# Altium PCB S6D01D4NucleoExtensionBoard1_values.PcbDoc
Units mm, origin at the board's own origin, x right, y up, seen from the top; angles counter-clockwise.
Board outline 100 x 100 mm, 2 copper layers (Top Layer, Bottom Layer), stack 1.621 mm thick; 126 components, 115 nets, 528 pads, 95 vias.
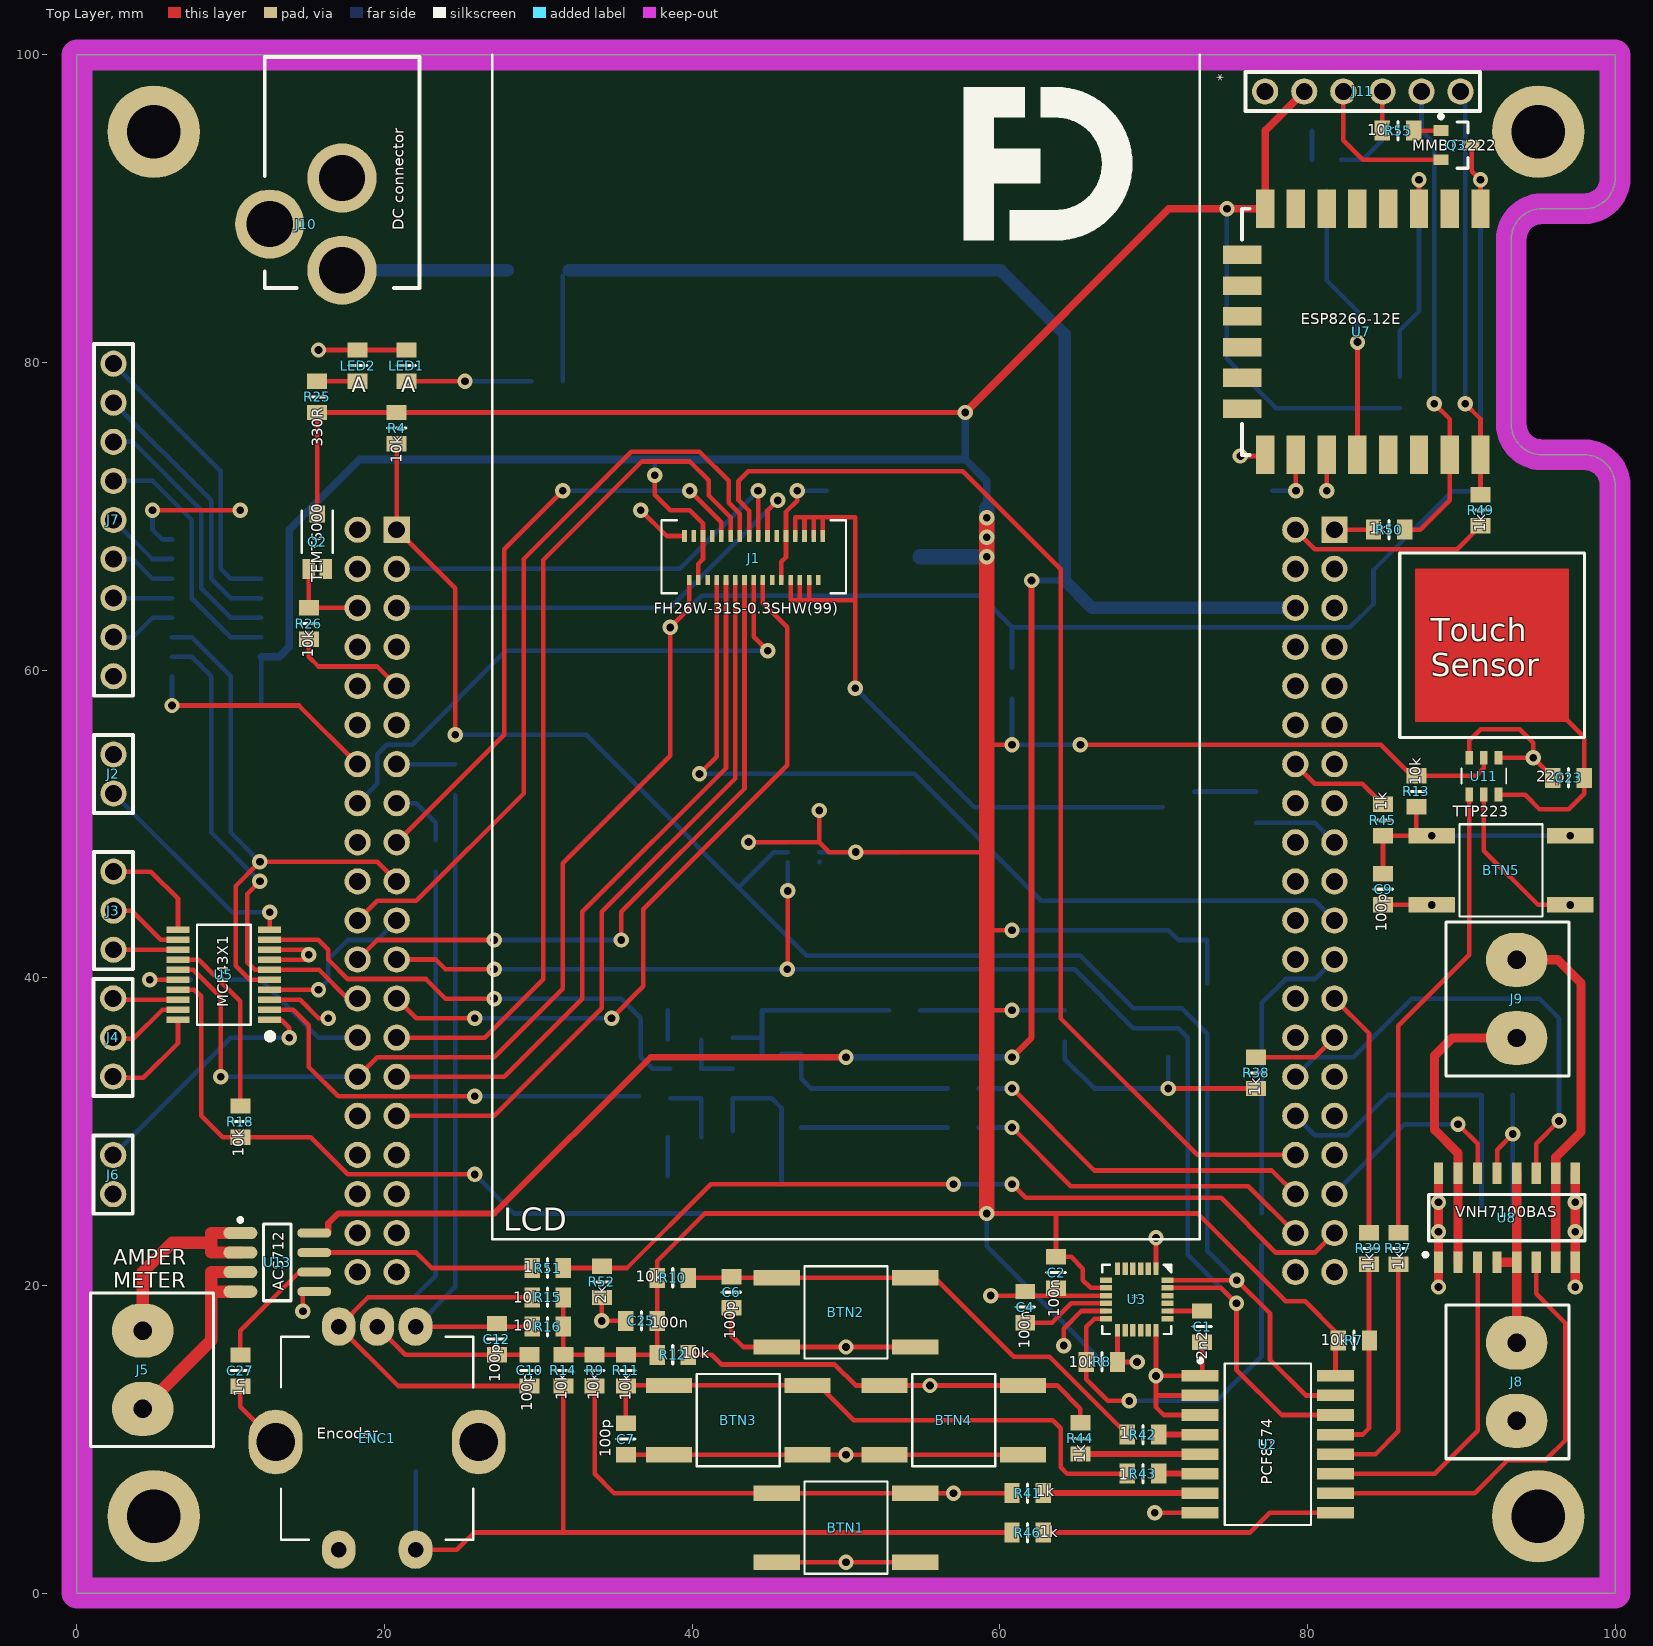
[diagram p0: Top Layer view]
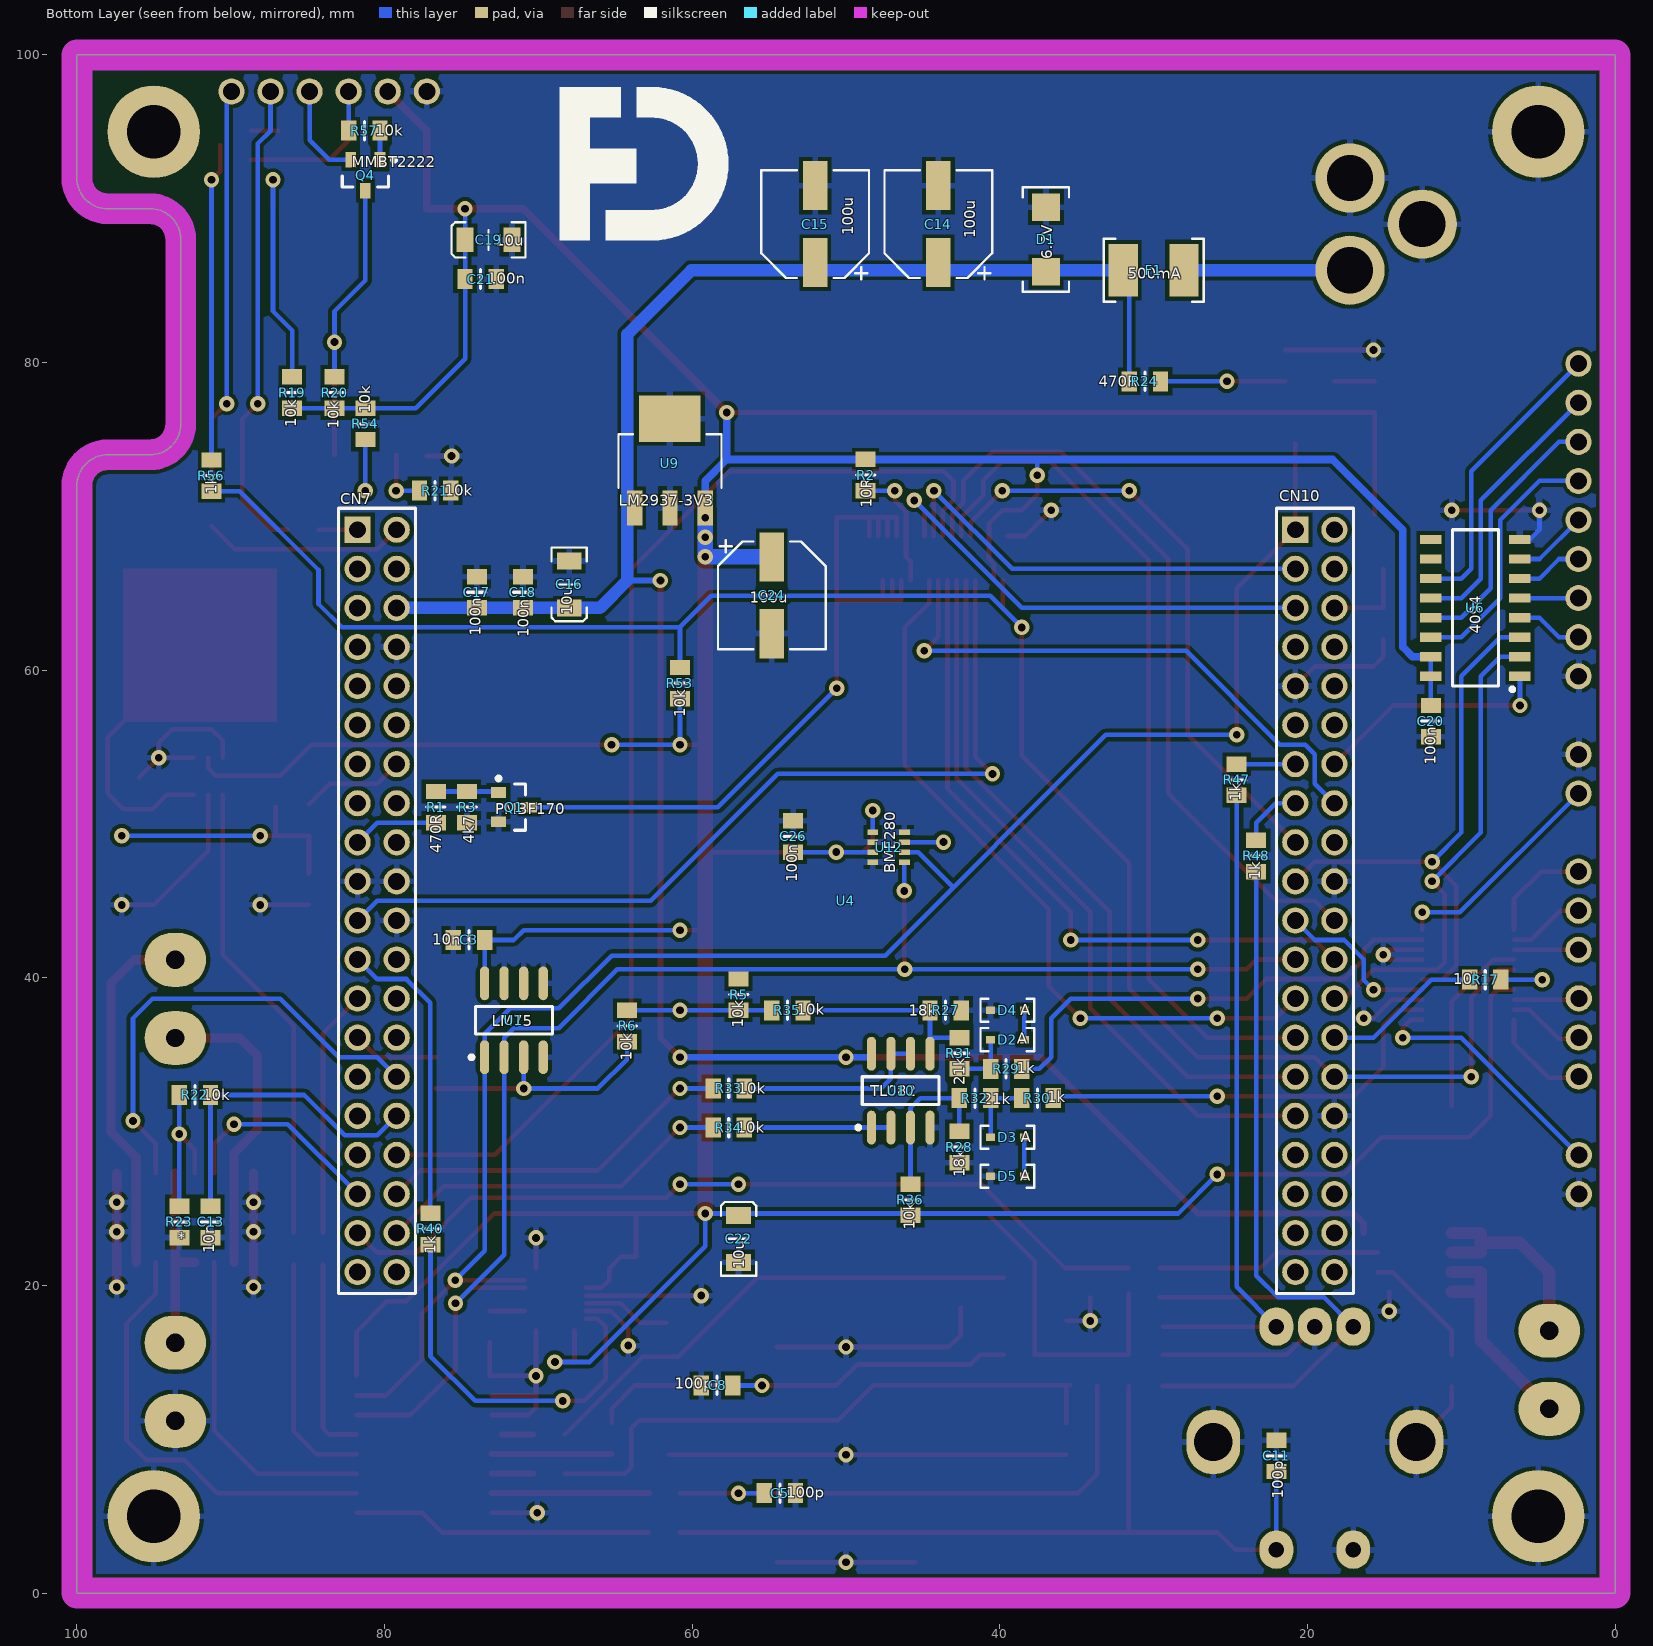
[diagram p1: Bottom Layer view, seen from below]

## Layer stack, top to bottom
Top Solder: solder mask 0.0102, Solder Resist, Dk 3.5
Top Layer: signal copper 0.0356
Dielectric 1: dielectric 1.55, FR-4, Dk 4.8
Bottom Layer: signal copper 0.0356
Bottom Solder: solder mask 0.0102, Solder Resist, Dk 3.5

## Board outline
0,0 0,100 100,100 100,92 cw(c98,92) 98,90 95.25,90 ccw(c95.25,88) 93.25,88 93.25,76 ccw(c95.25,76) 95.25,74 98,74 cw(c98,72) 100,72 100,0

## Design rules (kind name [scope] priority, off if disabled: settings)
AssemblyTestPointUsage [All] p1 off:
AssemblyTestpoint [All] p1 off: testpointundercomponent=TRUE minsize=1.016 maxsize=2.54 preferedsize=1.524 minholesize=0 maxholesize=1.016 preferedholesize=0.813 testpointgrid=0.025 usegrid=TRUE gridtolerance=0 allowsidetop=TRUE allowsidebottom=TRUE
Clearance [All] p1: gap=0.127 except(0.254: Arc-Poly Track-Poly SMDPad-Poly THPad-Poly Via-Poly Fill-Poly Poly-Poly)
ComponentClearance [All] p1 off: gap=0.254 collisioncheckmode=3 verticalgap=0.254 showdistances=FALSE
FabricationTestPointUsage [All] p1 off: valid=0 allowmultiple=FALSE
FabricationTestpoint [All] p1 off: side=3 testpointundercomponent=TRUE minsize=1.016 maxsize=2.54 preferedsize=1.524 minholesize=0 maxholesize=1.016 preferedholesize=0.813 testpointgrid=0.025 allowsidetop=TRUE allowsidebottom=TRUE usegrid=TRUE gridtolerance=0
Height [All] p1 off: minheight=0 maxheight=25.4 prefheight=12.7
HoleSize [All] p1: absolutevalues=TRUE maxlimit=5 minlimit=0.25 maxpercent=80.000 minpercent=20.000
HoleToHoleClearance [All] p1: gap=0.25 allowstackedmicrovias=TRUE
MinimumAnnularRing PadOutsideLayers_large [IsPad AND (PadIsPlated = 'True') AND (AsMM(HoleSize) > 0.45)] p1: minimumring=0.25
MinimumAnnularRing PadOutsideLayers_small [IsPad AND (PadIsPlated = 'True') AND (AsMM(HoleSize) <= 0.45)] p2: minimumring=0.225
MinimumAnnularRing ViaOutsideLayers_large [IsVia AND (AsMM(HoleSize) > 0.45)] p3: minimumring=0.25
MinimumAnnularRing ViaOutsideLayers_small [IsVia AND (AsMM(HoleSize) <= 0.45)] p4: minimumring=0.225
MinimumSolderMaskSliver [All] p1: minsoldermaskwidth=0.25
MinimumSolderMaskSliver SilkscreenOverComponentPads [All] p2: minsoldermaskwidth=0.254
PlaneClearance [All] p1: clearance=0.5
PlaneConnect [All] p1: planeconnectstyle=Relief reliefexpansion=0.5 reliefentries=4 reliefconductorwidth=0.25 reliefairgap=0.25
PolygonConnect PolygonConnect_4 [All] p1: connectstyle=Relief reliefconductorwidth=0.4 reliefentries=4 polygonreliefangle="90 Angle" airgapwidth=0.254
RoutingCorners [All] p1: cornerstyle=45-Degree minsetback=2 maxsetback=2
RoutingVias [All] p1: holewidth=0.3 width=0.75 viastyle="Through Hole" minholewidth=0.25 minwidth=0.65 maxholewidth=1 maxwidth=3
SilkToSilkClearance [All] p1: silktosilkclearance=0.15
SilkToSolderMaskClearance [IsPad] p1: minsilkscreentomaskgap=0.2 clearancetoexposedcopper=TRUE
SolderMaskExpansion [All] p1: expansion=0
Width [All] p1: maxlimit=10 minlimit=0.15 preferedwidth=0.3
16 further rules are at their usual default settings.

## Classes and differential pairs
component class Display: J1 Q1 R1 R2 R3
component class H-Bridge: C13 J8 J9 R22 R23 U8
component class I2Cbus: C1 C2 C3 C4 C23 R4 R5 R6 R7 R8 R37 R38 R39 R40 U1 U2 U3 U11 U12
component class Inputs: BTN1 BTN2 BTN3 BTN4 BTN5 C5 C6 C7 C8 C9 C10 C11 C12 ENC1 R9 R10 R11 R12 R13 R14 R15 R16 R41 R42 R43 R44 R45 R46 R47 R48
component class LightSensor: Q2 R26
component class Nucleo: U4
component class PowerSupply: C14 C15 C16 C17 C18 C19 C20 C21 C22 C24 C25 C26 D1 F1 J10 LED1 LED2 R24 R25 U9
component class SPIbus: D2 D3 D4 D5 J2 J3 J4 J6 J7 R17 R18 R27 R28 R29 R30 R31 R32 R33 R34 R35 R36 U5 U6 U10
component class Wireless: J11 Q3 Q4 R19 R20 R21 R49 R50 R54 R55 R56 R57 U7
component class CurrentSensor: C27 J5 R51 R52 U13
component class S6D01D4NucleoExtensionBoard: R53

## Components (designator, comment, footprint, x,y, rotation, side; value= is the part's Value field where it differs from the comment)
BTN1 "*" PBUTTON_SMD 50,4.25 r0 top locked
BTN2 "*" PBUTTON_SMD 50,18.25 r0 top locked
BTN3 "*" PBUTTON_SMD 43,11.25 r0 top locked
BTN4 "*" PBUTTON_SMD 57,11.25 r0 top locked
BTN5 "*" PBUTTON_SMD 92.583,46.99 r0 top
C1 "2n2" "CAP 0805" 73.153,17.326 r270 top
C2 "100n" "CAP 0805" 63.653,20.842 r270 top
C3 "10n" "CAP 0805" 74.511,42.46 r0 bottom
C4 "100n" "CAP 0805" 61.653,18.592 r90 top
C5 "100p" "CAP 0805" 54.299,6.5 r0 bottom
C6 "100p" "CAP 0805" 42.545,19.558 r90 top
C7 "100p" "CAP 0805" 35.687,10.016 r90 top
C8 "100p" "CAP 0805" 58.386,13.5 r180 bottom
C9 "100p" "CAP 0805" 84.925,45.756 r90 top
C10 "100p" "CAP 0805" 29.426,14.478 r270 top
C11 "100p" "CAP 0805" 22.02,8.921 r270 bottom
C12 "100p" "CAP 0805" 27.305,16.51 r270 top
C13 "10n" "CAP 0805" 91.313,24.13 r90 bottom
C14 "100u" "D8 ELKO" 44,89 r270 bottom
C15 "100u" "D8 ELKO" 52,89 r270 bottom
C16 "10u" "CAP 1210" 68,67.098 r270 bottom
C17 "100n" "CAP 0805" 74,65.066 r270 bottom
C18 "100n" "CAP 0805" 71,65.066 r270 bottom
C19 "10u" "CAP 1210" 71.717,87.97 r0 bottom
C20 "100n" "CAP 0805" 11.985,56.684 r90 bottom
C21 "100n" "CAP 0805" 73.749,85.43 r0 bottom
C22 "10u" "CAP 1210" 56.985,21.505 r90 bottom
C23 "22p" "CAP 0805" 96.973,52.995 r180 top
C24 "100u" "D8 ELKO" 54.826,64.866 r90 bottom
C25 "100n" "CAP 0805" 36.703,17.695 r0 top
C26 "100n" "CAP 0805" 53.44,49.191 r270 bottom
C27 "1n" "CAP 0805" 10.63,14.46 r90 top
D1 "6.7V" SMA 37,88 r270 bottom
D2 "A" SOD-232F 39.502,35.983 r0 bottom
D3 "A" SOD-232F 39.502,29.633 r0 bottom
D4 "A" SOD-232F 39.502,37.888 r0 bottom
D5 "A" SOD-232F 39.502,27.093 r0 bottom
ENC1 "Encoder" PEC11 19.52,10.075 r180 top locked
F1 "500mA" FUSE1812 30,86 r0 bottom
J1 "FH26W-31S-0.3SHW(99)" FH26W-31S-0.3SHW(99) 44,67.25 r180 top locked
J2 "*" SIL2 2.375,54.525 r270 top
J3 "*" SIL3 2.375,46.905 r270 top
J4 "*" SIL3 2.36,33.585 r90 top
J5 "*" PTR_AKZ350 4.28,11.98 r90 top
J6 "*" SIL2 2.36,25.935 r90 top
J7 "*" SIL9 2.375,79.925 r270 top
J8 "*" PTR_AKZ350 93.599,16.277 r270 top
J9 "*" PTR_AKZ350 93.599,41.169 r270 top
J10 "DC connector" "DC POWER CONNECTOR" 17.236,86 r0 top
J11 "*" SIL6 77.25,97.62 r0 top
LED1 "A" "LED 0805G" 21.425,79.798 r90 top
LED2 "A" "LED 0805G" 18.25,79.798 r90 top
Q1 "PMBF170" SOT23 71.59,51.096 r270 bottom
Q2 "TEMT6000" TEMT600 15.625,70.14 r270 top
Q3 "MMBT2222" SOT23 89.68,94.13 r270 top
Q4 "MMBT2222" SOT23 81.248,92.175 r0 bottom
R1 "470R" "RES 0805" 76.67,51.096 r90 bottom
R2 "10R" "RES 0805" 48.73,72.686 r270 bottom
R3 "4k7" "RES 0805" 74.638,51.096 r90 bottom
R4 "10k" "RES 0805" 20.79,75.734 r90 top
R5 "10k" "RES 0805" 56.985,38.904 r270 bottom
R6 "10k" "RES 0805" 64.224,36.872 r90 bottom
R7 "10k" "RES 0805" 83.02,16.425 r180 top
R8 "10k" "RES 0805" 66.637,15.028 r0 top
R9 "10k" "RES 0805" 33.655,14.478 r90 top
R10 "10k" "RES 0805" 38.735,20.5 r180 top
R11 "10k" "RES 0805" 35.687,14.478 r90 top
R12 "10k" "RES 0805" 38.735,15.494 r180 top
R13 "10k" "RES 0805" 87.084,52.126 r90 top
R14 "10k" "RES 0805" 31.623,14.478 r90 top
R15 "10k" "RES 0805" 30.607,19.23 r0 top
R16 "10k" "RES 0805" 30.607,17.325 r0 top
R17 "10k" "RES 0805" 8.443,39.875 r0 bottom
R18 "10k" "RES 0805" 10.63,30.649 r270 top
R19 "10k" "RES 0805" 86,78.048 r90 bottom
R20 "10k" "RES 0805" 83.25,78.048 r270 bottom
R21 "10k" "RES 0805" 76.71,71.67 r180 bottom
R22 "10k" "RES 0805" 92.329,32.385 r180 bottom
R23 "*" "RES 0805" 93.345,24.13 r270 bottom
R24 "470R" "RES 0805" 30.569,78.782 r0 bottom
R25 "330R" "RES 0805" 15.625,77.766 r270 top
R26 "10k" "RES 0805" 15.075,63.034 r270 top
R27 "18k" "RES 0805" 43.523,37.888 r0 bottom
R28 "18k" "RES 0805" 42.634,28.998 r90 bottom
R29 "1k" "RES 0805" 39.586,34.078 r180 bottom
R30 "1k" "RES 0805" 37.554,32.173 r180 bottom
R31 "21k" "RES 0805" 42.634,35.094 r270 bottom
R32 "21k" "RES 0805" 41.618,32.173 r180 bottom
R33 "10k" "RES 0805" 57.62,32.808 r0 bottom
R34 "10k" "RES 0805" 57.62,30.268 r0 bottom
R35 "10k" "RES 0805" 53.81,37.888 r0 bottom
R36 "10k" "RES 0805" 45.809,25.569 r270 bottom
R37 "1k" "RES 0805" 85.905,22.405 r90 top
R38 "1k" "RES 0805" 76.67,33.824 r270 top
R39 "1k" "RES 0805" 84,22.405 r270 top
R40 "1k" "RES 0805" 77.015,23.675 r270 bottom
R41 "1k" "RES 0805" 61.811,6.5 r180 top
R42 "1k" "RES 0805" 69.304,10.31 r180 top
R43 "1k" "RES 0805" 69.304,7.77 r180 top
R44 "1k" "RES 0805" 65.24,10.056 r90 top
R45 "1k" "RES 0805" 84.908,50.256 r270 top
R46 "1k" "RES 0805" 61.811,3.937 r180 top
R47 "1k" "RES 0805" 24.6,52.874 r270 bottom
R48 "1k" "RES 0805" 23.33,47.921 r270 bottom
R49 "1k" "RES 0805" 91.25,70.4 r270 top
R50 "1k" "RES 0805" 85.306,69.13 r180 top
R51 "1k" "RES 0805" 30.607,21.135 r180 top
R52 "2k" "RES 0805" 34.125,20.235 r90 top
R53 "10k" "RES 0805" 60.795,59.16 r270 bottom
R54 "10k" "RES 0805" 81.25,76.016 r90 bottom
R55 "10k" "RES 0805" 85.886,95.08 r180 top
R56 "1k" "RES 0805" 91.25,72.644 r90 bottom
R57 "10k" "RES 0805" 81.314,95.08 r0 bottom
U1 "LM75" SO8#1 73.495,34.84 r90 bottom
U2 "PCF8574" SO16W 77.425,9.675 r0 top
U3 "*" QFN24 68.903,19.092 r270 top
U4 "NUCLEO-F446RE" STM32F4xx_Nucleo 50,45 r180 bottom locked
U5 "MCP43X1" TSSOP20 9.556,40.2 r180 top
U6 "4094" SO16N 9.085,64.05 r0 bottom
U7 "ESP8266-12E" ESP8266-12E 91.25,90 r270 top locked
U8 "VNH7100BAS" SO16N 92.964,24.405 r90 top
U9 "LM2937-3V3" SOT223 61.444,73.441 r180 bottom
U10 "TL082" SO8#1 48.349,30.268 r90 bottom
U11 "TTP223" SOT-23-6L 91.464,53.108 r0 top
U12 "BME280" BME280 47.23,48.5 r270 bottom
U13 "ACS712" SO8#2 10.63,23.41 r0 top

## Footprints (in the part's own frame and the unit in brackets; to place one, negate y for a bottom-side part, rotate by r counter-clockwise, add the part's x,y. Pads: shape width x height; smd on the part's side, far side on the other; paste and mask are expansions set on the pad)
BME280 [mm] "BME280 Environmental sensor"
  rect 0.35x0.7 smd: 1(-0.975,1.025) 2(-0.325,1.025) 3(0.325,1.025) 4(0.975,1.025) 5(0.975,-1.025) 6(0.325,-1.025) 7(-0.325,-1.025) 8(-0.975,-1.025)
  body extent -1.25,-1.25 1.25,1.25, height 0.93
"CAP 0805" [mm] "0805 CAPACITOR"
  rect 1x1.3 smd: 1(-1.016,0) 2(1.016,0)
  silkscreen extent 0,-0.6 0,0.6, body extent -1,-0.63 1,0.62, height 0.6
"CAP 1210" [mm] "POLARIZED CAPACITOR"
  rect 1.1x1.6 smd: 1(3.048,0) 2(0,0)
  silkscreen extent -0.88,-1.14 3.92,1.14, body extent -0.17,-0.8 3.22,0.8, height 1.65
"D8 ELKO" [mm] "D8 size electrolit capacitor 6.3mmx7.7mm"
  rect 3.2x1.6 smd: 1(2.5,0) 2(-2.5,0)
  silkscreen extent -3.5,-3.5 3.6,3.5, body extent -3.5,-3.3 3.5,3.3, height 7.7
"DC POWER CONNECTOR" [mm] "DC POWER CONNECTOR 5.5/2.1/9.5mm"
  round 4.5 hole 3: 1(0,0) 2(0,6) 3(-4.7,3)
  silkscreen extent -5.02,-1.15 5.02,13.87, body extent -4.74,-0.9 4.74,13.58, height 11.18
ESP8266-12E [mm] "Wifi module"
  rect 2.5x1.2 smd: 1(0,0) 2(0,-2) 3(0,-4) 4(0,-6) 5(0,-8) 6(0,-10) 7(0,-12) 8(0,-14) 15(16,-14) 16(16,-12) 17(16,-10) 18(16,-8) 19(16,-6) 20(16,-4) 21(16,-2) 22(16,0)
  rect 1.2x2.5 smd: 9(3,-15.5) 10(5,-15.5) 11(7,-15.5) 12(9,-15.5) 13(11,-15.5) 14(13,-15.5)
  silkscreen extent 0,-15.5 16,-15, body extent 0,-15.5 16.01,8.5, height 2.65
FH26W-31S-0.3SHW(99) [mm] "0.3mm pitch size, 31pin, FPC connector, SMD"
  rect 0.3x0.8 smd: 1(-4.5,-1.475) 3(-3.9,-1.475) 5(-3.3,-1.475) 7(-2.7,-1.475) 9(-2.1,-1.475) 11(-1.5,-1.475) 13(-0.9,-1.475) 15(-0.3,-1.475) 17(0.3,-1.475) 19(0.9,-1.475) 21(1.5,-1.475) 23(2.1,-1.475) 25(2.7,-1.475) 27(3.3,-1.475) 29(3.9,-1.475) 31(4.5,-1.475)
  rect 0.3x0.65 smd: 2(-4.2,1.4) 4(-3.6,1.4) 6(-3,1.4) 8(-2.4,1.4) 10(-1.8,1.4) 12(-1.2,1.4) 14(-0.6,1.4) 16(0,1.4) 18(0.6,1.4) 20(1.2,1.4) 22(1.8,1.4) 24(2.4,1.4) 26(3,1.4) 28(3.6,1.4) 30(4.2,1.4)
  silkscreen extent -6,-2.5 6,2.25, body extent -5.4,-1.9 5.4,1.6, height 1
FUSE1812 [mil] "Multifuse"
  rect 75x135 smd: 1(-77.5,0) 2(77.5,0)
  silkscreen extent -128,-81 128,81, body extent -93,-67 93,67, height 53
"LED 0805G" [mm] "0805 GREEN LED"
  rect 1x1.3 smd: 1(-1.016,0) 2(1.016,0)
  silkscreen extent 0,-0.6 0,0.6, body extent -1.01,-0.62 1.01,0.63, height 1.1
PBUTTON_SMD [mm]
  rect 3x1 smd: 1(-4.5,-2.25) 2(4.5,-2.25) 3(4.5,2.25) 4(-4.5,2.25)
  silkscreen extent -2.7,-3 2.7,3, body extent -5,-3 5,3, height 4.95
PEC11 [mm]
  oval 2.2x2.5 hole 1: 1(-2.5,-7.25) 2(0,-7.25) 3(2.5,-7.25) 4(2.5,7.25) 5(-2.5,7.25)
  oval 3.5x4.2 hole 2.5: 6(-6.6,0.25) 7(6.6,0.25)
  silkscreen extent -6.25,-6.6 6.25,6.6, body extent -7.31,-7.35 7.31,7.35, height 19.5
PTR_AKZ350 [mm] "2 PIN TERMINAL BLOCK"
  oval 3.5x4 hole 1.2: 1(0,0) 2(5.08,0)
  silkscreen extent -2.46,-4.6 7.54,3.4, body extent -2.46,-4.6 7.54,3.4, height 10.1
QFN24 [mm] "24-Lead Plastic QFN (4mm × 4mm)"
  rect 0.8x0.35 smd mask+0.07: 1(-2,1.25) 2(-2,0.75) 3(-2,0.25) 4(-2,-0.25) 5(-2,-0.75) 6(-2,-1.25) 13(2,-1.25) 14(2,-0.75) 15(2,-0.25) 16(2,0.25) 17(2,0.75) 18(2,1.25)
  rect 0.35x0.8 smd mask+0.07: 7(-1.25,-2) 8(-0.75,-2) 9(-0.25,-2) 10(0.25,-2) 11(0.75,-2) 12(1.25,-2) 19(1.25,2) 20(0.75,2) 21(0.25,2) 22(-0.25,2) 23(-0.75,2) 24(-1.25,2)
  silkscreen extent -2.25,-2.25 2.25,2.25, body extent -2,-2 2,2, height 1
"RES 0805" [mm] "0805 Resistor"
  rect 1x1.3 smd: 1(-1.016,0) 2(1.016,0)
  silkscreen extent 0,-0.6 0,0.6, body extent -1,-0.63 1,0.62, height 0.6
SIL2 [mm] "2 PIN SINGLE IN LINE CONNECTOR"
  round 1.7 hole 1.1: 1(0,0) 2(2.54,0)
  silkscreen extent -1.27,-1.27 3.81,1.27, body extent -1.17,-1.25 3.91,1.25, height 8.3
SIL3 [mm] "3 PIN SINGLE IN LINE CONNECTOR"
  round 1.7 hole 1.1: 1(0,0) 2(2.54,0) 3(5.08,0)
  silkscreen extent -1.27,-1.27 6.35,1.27, body extent -1.17,-1.25 6.45,1.25, height 8.3
SIL6 [mm] "6 PIN SINGLE IN LINE CONNECTOR"
  round 1.7 hole 1.1: 1(0,0) 2(2.54,0) 3(5.08,0) 4(7.62,0) 5(10.16,0) 6(12.7,0)
  silkscreen extent -1.27,-1.27 13.97,1.27, body extent -1.17,-1.25 14.07,1.25, height 8.3
SIL9 [mm] "9 PIN SINGLE IN LINE CONNECTOR"
  round 1.7 hole 1.1: 1(0,0) 2(2.54,0) 3(5.08,0) 4(7.62,0) 5(10.16,0) 6(12.7,0) 7(15.24,0) 8(17.78,0) 9(20.32,0)
  silkscreen extent -1.27,-1.27 21.59,1.27, body extent -1.17,-1.25 21.69,1.25, height 8.3